# Altium PCB PCB1.PcbDoc (continued)
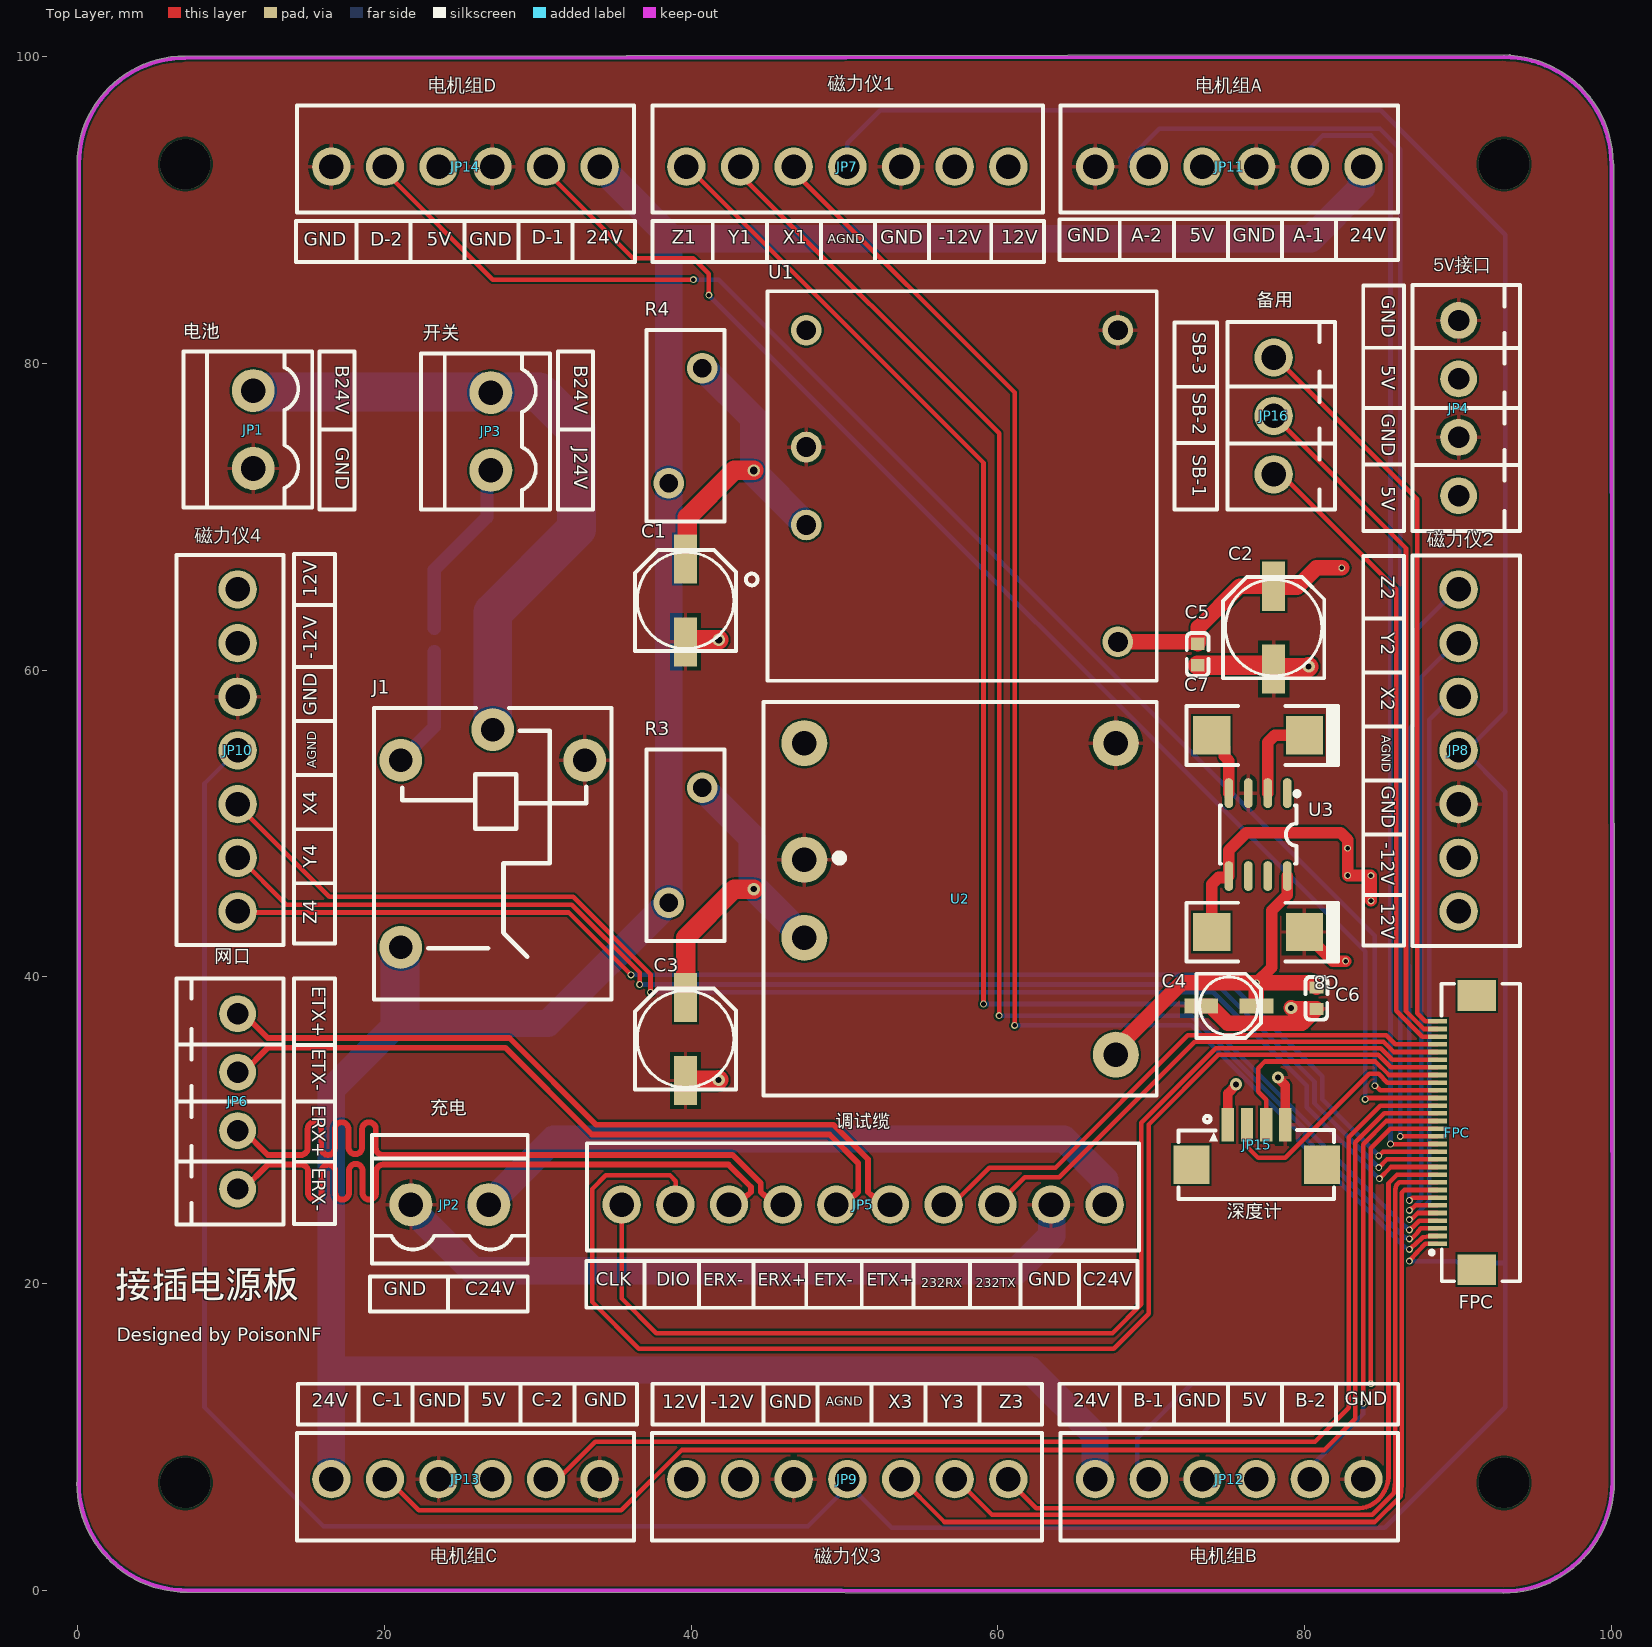
[diagram p0: Top Layer view]
## Footprints (in the part's own frame and the unit in brackets; to place one, negate y for a bottom-side part, rotate by r counter-clockwise, add the part's x,y. Pads: shape width x height; smd on the part's side, far side on the other; paste and mask are expansions set on the pad)
C0603 [mm]
  rect 0.8x0.9 smd: 1(-0.7,0) 2(0.7,0)
  silkscreen extent -1.41,-0.71 1.39,0.72
CASE-C_6032 [mil]
  rect 95.5x98.42 smd: 1(119,0) 2(-119,0)
  silkscreen extent -184,-76 205,75
"CM B(4*5.4)" [mm]
  rect 2.2x1 smd: 1(1.8,0) 2(-1.8,0)
  silkscreen extent -2.1,-2.1 2.1,2.1, body extent -2.3,-2.12 2.3,2.18, height 5.4
"CM D(6.3*5.4)" [mm]
  rect 3.2x1.5 smd: 1(2.7,0) 2(-2.7,0)
  silkscreen extent -3.3,-3.3 3.3,3.3, body extent -3.5,-3.3 3.5,3.3, height 5.4
"CM D(6.3*7.7)" [mm] "贴片电解电容，直径6.3mm，高7.7mm"
  rect 3.2x1.5 smd: 1(2.7,0) 2(-2.7,0)
  silkscreen extent -3.3,-3.3 3.3,3.3, body extent -3.5,-3.3 3.5,3.3, height 7.7
CONN-SMD_4P-P1.25-HC-1.25-4PWT [mm]
  rect 0.8x2.2 smd paste+0 mask+0.05: 1(-1.875,1.3) 2(-0.625,1.3) 3(0.625,1.3) 4(1.875,1.3)
  rect 2.35x2.5 smd paste+0 mask+0.05: 5(4.255,-1.3) 6(-4.255,-1.3)
  silkscreen extent -5.08,-3.55 5.06,1.88
CONN-TH_3P-P3.81_KF2EDGV-3.81-3P [mm]
  round 2.5 hole 1.6: 1(-3.81,0) 2(0,0) 3(3.81,0)
  silkscreen extent -6.11,-4 6.11,3
CONN-TH_4P-P3.81_KF2EDGV-3.81-4P [mm]
  round 2.4 hole 1.4: 1(-5.715,0) 2(-1.905,0) 3(1.905,0) 4(5.715,0)
  silkscreen extent -8.02,-4 8.02,3
CONN-TH_6P-P3.50_KF2EDGV-3.5-6P [mm]
  round 2.5 hole 1.6: 1(-8.75,0) 2(-5.25,0) 3(-1.75,0) 4(1.75,0) 5(5.25,0) 6(8.75,0)
  silkscreen extent -11,-4 11,3
CONN-TH_7P-P3.50_KF2EDGV-3.5-7P [mm]
  round 2.5 hole 1.6: 1(-10.5,0) 2(-7,0) 3(-3.5,0) 4(0,0) 5(3.5,0) 6(7,0) 7(10.5,0)
  silkscreen extent -12.75,-4 12.7,3
CONN-TH_10P-P3.50_KF2EDGV-3.5-10P [mm]
  round 2.5 hole 1.6: 1(-15.75,0) 2(-12.25,0) 3(-8.75,0) 4(-5.25,0) 5(-1.75,0) 6(1.75,0) 7(5.25,0) 8(8.75,0) 9(12.25,0) 10(15.75,0)
  silkscreen extent -18,-4 18,3
CONN-TH_P5.08_KF2EDGV-5.08-2P [mm]
  round 2.8 hole 1.6: 1(-2.54,0) 2(2.54,0)
  silkscreen extent -5.08,-4.55 5.08,3.85
FPC-SMD_30P-P0.50_XUNPU_FPC-05F-30PH20 [mm]
  rect 0.3x1.25 smd paste+0 mask+0.05: 1(-7.25,1.288) 2(-6.75,1.288) 3(-6.25,1.288) 4(-5.75,1.288) 5(-5.25,1.288) 6(-4.75,1.288) 7(-4.25,1.288) 8(-3.75,1.288) 9(-3.25,1.288) 10(-2.75,1.288) 11(-2.25,1.288) 12(-1.75,1.288) 13(-1.25,1.288) 14(-0.75,1.288) 15(-0.25,1.288) 16(0.25,1.288) 17(0.75,1.288) 18(1.25,1.288) 19(1.75,1.288) 20(2.25,1.288) 21(2.75,1.288) 22(3.25,1.288) 23(3.75,1.288) 24(4.25,1.288) 25(4.75,1.288) 26(5.25,1.288) 27(5.75,1.288) 28(6.25,1.288) 29(6.75,1.288) 30(7.25,1.288)
  rect 2x2.5 smd paste+0 mask+0.05: 31(8.94,-1.288) 32(-8.94,-1.288)
  silkscreen extent -9.7,-4.1 9.7,1.78
PWRM-TH_HI-LINK_URXXYMD-XXWR3 [mm]
  round 3 hole 1.6: 1(-10.16,2.54) 2(-10.16,-2.54) 3(10.16,-10.16) 5(10.16,10.16) 6(-10.16,10.16)
  silkscreen extent -12.83,-12.83 12.83,12.83
PWRM-TH_TDK-XXSXX [mm]
  round 2 hole 1.3: 1(-10.16,-2.54) 2(-10.16,2.54) 3(-10.16,10.16) 4(10.16,10.16) 6(10.16,-10.16)
  silkscreen extent -14.1,-12.7 12.7,12.7
R0603 [mm]
  rect 0.806x0.864 smd paste-100 mask+0.051: 1(-0.753,0) 2(0.753,0)
  silkscreen extent -1.39,-0.66 1.39,0.66
RELAY-TH_JQC-3FF-1HXX [mil]
  round 110 hole 60: 1(-200.79,236.22) 2(-200.79,-236.22) 3(279.54,-236.2) 4(-279.53,0)
  silkscreen extent -335,-305 413,305
RES-TH_L12.5-W5.1-P7.50-D1.2-S2.20 [mm]
  round 2 hole 1.2: 1(-3.749,1.1) 2(3.749,-1.1)
  silkscreen extent -6.25,-2.55 6.25,2.55
SOIC-8_L5.0-W4.0-P1.27-LS6.0-BL [mil]
  oval 22.38x76.78 smd: 1(-75,-106.5) 2(-25,-106.5) 3(25,-106.5) 4(75,-106.5) 5(75,106.5) 6(25,106.5) 7(-25,106.5) 8(-75,106.5)
  silkscreen extent -106,-111 98,75

## Part data
C1 C2 C3 C4: library part C-CM, "贴片电解电容", BOM名称=贴片电解电容, 学习资源=www.ooocke.com, 版权归属=源创客
C5 C6: library part 0603B104K500NT, "0603电容", JLCPCB Part Class="Extended Part", LCSC Part Name="100nF ±10% 50V", Manufacturer=FH(风华), Temperature Coefficient=X7R, Tolerance=±10%, Voltage Rated=50V, Add into BOM=yes, Convert to PCB=yes, Datasheet=https://atta.szlcsc.com/upload/public/pdf/source/20170923/C30926_1506149436298988724.pdf, Device=0603B104K500NT, Manufacturer Part=0603B104K500NT, Name=100nF, Supplier=LCSC, Supplier Footprint=0603, Supplier Part=C30926, Symbol=0603B104K500NT
C7 C8: library part TAJC106K035RNJ, "10uF/35V钽电容", Equivalent Series Resistance(ESR)=1.6Ω@100kHz, JLCPCB Part Class="Extended Part", LCSC Part Name="10uF ±10% 35V", Manufacturer="Kyocera AVX", Operating Temperature=-55℃~+125℃, Rated Voltage=35V, Tolerance=±10%, Add into BOM=yes, Convert to PCB=yes, Datasheet=https://atta.szlcsc.com/upload/public/pdf/source/20160107/1457707749174.pdf, Device=TAJC106K035RNJ, Manufacturer Part=TAJC106K035RNJ, Name=10uF, Supplier=LCSC, Supplier Footprint=CASE-C_6032, Supplier Part=C7211, Symbol=TAJC106K035RNJ
FPC: JLCPCB Part Class="Extended Part", LCSC Part Name="0.5mm P数:30P 翻盖式 下接", Manufacturer=XUNPU(讯普), Operating Temperature Range=-25℃~+85℃, Add into BOM=yes, Contact Type=下接, Convert to PCB=yes, Datasheet=https://atta.szlcsc.com/upload/public/pdf/source/20210922/C2856808_4E6DDE2793CFD9EF09B771A8BD3338A4.pdf, Device=FPC-05F-30PH20, FFC, FCB Thickness=0.3mm, Height Above Board=2mm, Locking Feature=翻盖式, Manufacturer Part=FPC-05F-30PH20, Mounting Type=卧贴, Name=FPC-05F-30PH20, Number of Contacts=30P, Pitch=0.5mm, Supplier=LCSC, Supplier Footprint=SMD,P=0.5mm, Supplier Part=C2856808, Symbol=FPC-05F-30PH20
J1: Coil Rated Power=360mW, Coil Resistance=1.6kΩ, Coil Voltage=24V, Contact Rating=10A@28VDC；10A@277VAC, Contact Resistance=100mΩ, JLCPCB Part Class="Extended Part", LCSC Part Name="超小型大功率24V继电器 单刀单掷-常开", Manufacturer=HF(宏发), Maximum Switching Current=15A, Maximum Switching Voltage=277V@AC；30V@DC, Operating Temperature=-40℃~+85℃, Add into BOM=yes, Coil Type=非极化-单线圈, Contact Form=一组常开:1A(单刀单掷-常开), Contact Material=AgCdO, Convert to PCB=yes, Datasheet=https://atta.szlcsc.com/upload/public/pdf/source/20210423/C2764964_4D875C5A5AA80B7BE436E96771A09B40.pdf, Device=JQC-3FF/024-1HS(551), Manufacturer Part=JQC-3FF/024-1HS(551), Name=JQC-3FF/024-1HS(551), Operate Time=10ms, Pin Number=4, Release Time=5ms, Supplier=LCSC, Supplier Footprint=插件,15.5x19mm, Supplier Part=C2976877, Symbol=JQC-3FF/024-1HS(551)
JP1 JP2 JP3: Color=绿色, Current Rating (Max)=15A, JLCPCB Part Class="Extended Part", LCSC Part Name="5.08mm 1x2P 排数:1 每排P数:2", Manufacturer=KEFA(科发), Operating Temperature Range=-40℃~+105℃, Voltage Rating (Max)=300V, Add into BOM=yes, Connector Type=板端/插座-开口, Convert to PCB=yes, Datasheet=https://atta.szlcsc.com/upload/public/pdf/source/20230331/07EACEF7A0E6B8900C77AF4F304A3561.pdf, Device=KF2EDGV-5.08-2P, Manufacturer Part=KF2EDGV-5.08-2P, Mounting Style=直针, Name=KF2EDGV-5.08-2P, Number of Pins=2P, Number of PINs Per Row=2, Number of Rows=1, Pitch=5.08mm, Structure=1x2P, Supplier=LCSC, Supplier Footprint=插件,P=5.08mm, Supplier Part=C441354, Symbol=KF2EDGV-5.08-2P
JP4 JP6: Color=绿色, Current Rating (Max)=8A, JLCPCB Part Class="Extended Part", LCSC Part Name="板端/插座-闭口 3.81mm 排数:1 每排P数:4 直针", Manufacturer=KEFA(科发), Manufacturer Part=KF2EDGV-3.81-4P, Operating Temperature Range=-40℃~+105℃, Voltage Rating (Max)=300V, Add into BOM=yes, Connector Type=板端/插座-闭口, Convert to PCB=yes, Datasheet=https://atta.szlcsc.com/upload/public/pdf/source/20191023/C441334_2B3686AE66497D0AF2D450E865A6AACE.pdf, Device=KF2EDGV-3.81-4P_C441334, Mounting Style=直针, Name=KF2EDGV-3.81-4P, Number of PINs Per Row=4, Number of Rows=1, Pitch=3.81mm, Supplier=LCSC, Supplier Footprint=直插,P=3.81mm, Supplier Part=C441334, Symbol=KF2EDGV-3.81-4P, Wire Gauge - AWG=-, Wire Gauge - mm?=-
JP5: Color=绿色, Current Rating (Max)=8A, JLCPCB Part Class="Extended Part", LCSC Part Name="3.5mm 1x10P 排数:1 每排P数:10", Manufacturer=KEFA(科发), Operating Temperature Range=-40℃~+105℃, Voltage Rating (Max)=300V, Add into BOM=yes, Connector Type=板端/插座-闭口, Convert to PCB=yes, Datasheet=https://atta.szlcsc.com/upload/public/pdf/source/20230331/973DE48A1FC0C5DCFB383F3EF6D70D72.pdf, Device=KF2EDGV-3.5-10P, Manufacturer Part=KF2EDGV-3.5-10P, Mounting Style=直针, Name=KF2EDGV-3.5-10P, Number of Pins=10P, Number of PINs Per Row=10, Number of Rows=1, Pitch=3.5mm, Structure=1x10P, Supplier=LCSC, Supplier Footprint=插件,P=3.5mm, Supplier Part=C441318, Symbol=KF2EDGV-3.5-10P
JP7 JP8 JP9 JP10: Color=绿色, Current Rating (Max)=8A, JLCPCB Part Class="Extended Part", LCSC Part Name="3.5mm 1x7P 排数:1 每排P数:7", Manufacturer=KEFA(科发), Operating Temperature Range=-40℃~+105℃, Voltage Rating (Max)=300V, Add into BOM=yes, Connector Type=板端/插座-闭口, Convert to PCB=yes, Datasheet=https://atta.szlcsc.com/upload/public/pdf/source/20230331/973DE48A1FC0C5DCFB383F3EF6D70D72.pdf, Device=KF2EDGV-3.5-7P, Manufacturer Part=KF2EDGV-3.5-7P, Mounting Style=直针, Name=KF2EDGV-3.5-7P, Number of Pins=7P, Number of PINs Per Row=7, Number of Rows=1, Pitch=3.5mm, Structure=1x7P, Supplier=LCSC, Supplier Footprint=插件,P=3.5mm, Supplier Part=C441326, Symbol=KF2EDGV-3.5-7P
JP11 JP12 JP13 JP14: Color=绿色, Current Rating (Max)=8A, JLCPCB Part Class="Extended Part", LCSC Part Name="3.5mm 1x6P 排数:1 每排P数:6", Manufacturer=KEFA(科发), Operating Temperature Range=-40℃~+105℃, Voltage Rating (Max)=300V, Add into BOM=yes, Connector Type=板端/插座-闭口, Convert to PCB=yes, Datasheet=https://atta.szlcsc.com/upload/public/pdf/source/20230331/973DE48A1FC0C5DCFB383F3EF6D70D72.pdf, Device=KF2EDGV-3.5-6P, Manufacturer Part=KF2EDGV-3.5-6P, Mounting Style=直针, Name=KF2EDGV-3.5-6P, Number of Pins=6P, Number of PINs Per Row=6, Number of Rows=1, Pitch=3.5mm, Structure=1x6P, Supplier=LCSC, Supplier Footprint=插件,P=3.5mm, Supplier Part=C441325, Symbol=KF2EDGV-3.5-6P
JP15: Current Rating (Max)=1A, JLCPCB Part Class="Extended Part", LCSC Part Name="1.25mm 1x4P 卧贴", Manufacturer=HCTL(华灿天禄), Operating Temperature Range=-25℃~+85℃, Add into BOM=yes, Convert to PCB=yes, Datasheet=https://atta.szlcsc.com/upload/public/pdf/source/20210728/C2845379_48B7DC28A4B35DB030A7253F7C3FD974.pdf, Device=HC-1.25-4PWT, Gender=公型插针, Manufacturer Part=HC-1.25-4PWT, Mounting Style=卧贴, Name=HC-1.25-4PWT, Number of PINs Per Row=4, Number of Rows=1, Pins Structure=1x4P, Pitch=1.25mm, Reference Series=-, Row Spacing=-, Supplier=LCSC, Supplier Footprint=SMD,P=1.25mm, Supplier Part=C2845381, Symbol=HC-1.25-4PWT
JP16: Color=绿色, Current Rating (Max)=8A, JLCPCB Part Class="Extended Part", LCSC Part Name="板端/插座-闭口 3.81mm 排数:1 每排P数:3 直针", Manufacturer=KEFA(科发), Operating Temperature Range=-40℃~+105℃, Voltage Rating (Max)=300V, Add into BOM=yes, Connector Type=板端/插座-闭口, Convert to PCB=yes, Datasheet=https://atta.szlcsc.com/upload/public/pdf/source/20191023/C441333_64A45A3FA7EEF66FCEFDF359E788B867.pdf, Device=KF2EDGV-3.81-3P, Manufacturer Part=KF2EDGV-3.81-3P, Mounting Style=直针, Name=KF2EDGV-3.81-3P, Number of PINs Per Row=3, Number of Rows=1, Pitch=3.81mm, Supplier=LCSC, Supplier Footprint=直插,P=3.81mm, Supplier Part=C441333, Symbol=KF2EDGV-3.81-3P, Wire Gauge - AWG=-, Wire Gauge - mm?=-
R1: library part 0603WAF1002T5E, "0603电阻", JLCPCB Part Class="Basic Part", LCSC Part Name="厚膜电阻 10kΩ ±1% 100mW", Manufacturer=UNI-ROYAL(厚声), Operating Temperature Range=-55℃~+155℃, Overload Voltage (Max)=75V, Power(Watts)=100mW, Temperature Coefficient=±100ppm/℃, Tolerance=±1%, Add into BOM=yes, Convert to PCB=yes, Datasheet=https://atta.szlcsc.com/upload/public/pdf/source/20200306/C422600_1E6D84923E4A46A82E41ADD87F860B5C.pdf, Device=0603WAF1002T5E, Manufacturer Part=0603WAF1002T5E, Name=10kΩ, Supplier=LCSC, Supplier Footprint=0603, Supplier Part=C25804, Symbol=0603WAF1002T5E, Type=厚膜电阻
R3 R4: "NTC热敏电阻", B Constant Tolerance=±10%, JLCPCB Part Class="Extended Part", LCSC Part Name="22Ω 电阻精度:±20% 3000K", Manufacturer=时恒, Operating Temperature=-40℃~+170℃, Power=2W, Resistance @ 25℃=22Ω, Resistance Tolerance=±20%, Steady State Current (Max)=1A, Add into BOM=yes, B Constant (25℃/50℃)=3000K, B Constant (25℃/75℃)=-, B Constant (25℃/85℃)=-, B Constant (25℃/100℃)=-, Convert to PCB=yes, Datasheet=https://atta.szlcsc.com/upload/public/pdf/source/20170721/C122769_1500627493180835245.pdf, Device="MF72 22D9", Manufacturer Part="MF72 22D9", Name="MF72 22D9", Supplier=LCSC, Supplier Footprint=插件,P=7.5mm, Supplier Part=C122769, Symbol="22Ω ±20%"
U1: "24V转5V模块", Input Voltage(DC)=18V~36V, Insulated Voltage=1.5kV, Isolated Or Voltage Regulation=隔离稳压, JLCPCB Part Class="Extended Part", Manufacturer=TDPOWER(腾达电源), Maximum Capacitive Load=-, Output Current (Max)=3A, Output Power=15W, Output Voltage=5V, Add into BOM=yes, Conversion Efficiency=89%, Conversion Type=DC-DC, Convert to PCB=yes, Datasheet=https://atta.szlcsc.com/upload/public/pdf/source/20210930/A9C51F22E6FCA77EB1BA0F549BEECE76.pdf, Device=TDK15-24S05, Feature=过流保护；短路保护自恢复, Function=降压型, LCSC Part Name=TDK15-24S05, Manufacturer Part=TDK15-24S05, Name=TDK15-24S05, Output Channel=1, Supplier=LCSC, Supplier Footprint=插件,25.4x25.4mm, Supplier Part=C2897733, Symbol=TDK15-24S05
U2: "24V转12V模块", Input Voltage(AC)=-, Input Voltage(DC)=9V~36V, Insulated Voltage=1.5kV, JLCPCB Part Class="Extended Part", LCSC Part Name=直流隔离电源模块24V转12V短路保护, Manufacturer=HI-LINK(海凌科), Manufacturer Part=URB2412YMD-10WR3, Output Current (Max)=830mA, Output Power=10W, Output Voltage=12V, Add into BOM=yes, Conversion Efficiency=88%, Conversion Type=-, Convert to PCB=yes, Datasheet=https://atta.szlcsc.com/upload/public/pdf/source/20220927/AB12EB04CD3DB2BFFF2FA8A845DD4118.pdf, Device=URB2412YMD-10WR3_C5183122, Feature=输出短路保护, Function=-, Isolated Or Voltage Regulation=-, Maximum Capacitive Load=-, Name=URB2412YMD-10WR3, Output Channel=-, Supplier=LCSC, Supplier Footprint=插件, Supplier Part=C5183122, Symbol=URB2412YMD-10WR3_C5183122
U3: "宽幅电压逆变", Input Voltage=4.5V~20V, JLCPCB Part Class="Extended Part", Manufacturer=ADI(亚德诺)/MAXIM(美信), Operating Temperature=-40℃~+85℃@(TA), Switching Frequency=10kHz, Add into BOM=yes, Convert to PCB=yes, Datasheet=https://atta.szlcsc.com/upload/public/pdf/source/20180803/C242528_35C2419E4C13BFD84D6327AC96256493.pdf, Device=ICL7662EBA+T, LCSC Part Name=ICL7662EBA+T, Manufacturer Part=ICL7662EBA+T, Name=ICL7662EBA+T, Number of Outputs=1, Output Type=固定, Supplier=LCSC, Supplier Footprint=SOP-8, Supplier Part=C28595, Symbol=ICL7662EBA, Synchronous Rectification=否

## Via types
v1: diameter 0.45, hole 0.3, Top Layer to Bottom Layer, 31 vias
v2: diameter 0.8, hole 0.4, Top Layer to Bottom Layer, 6 vias
v3: diameter 3.3, hole 3.3, Top Layer to Bottom Layer, 4 vias
v4: diameter 0.8, hole 0.5, Top Layer to Bottom Layer, 2 vias

## Nets (pads, with @x,y where several pads share a name; then routed paths per layer and width w, separated by ;. In a path a pad name is that pad's centre, name@x,y a point inside that pad or via, vN(x,y) a via of type N, cw(c..) or ccw(c..) an arc to the next point about the centre after c; other vN are vias at no path point)
5V: C2.1 C5.2 JP4.1 JP4.3 JP11.4 JP12.4 JP13.4 JP14.4 JP15.1 U1.6 | length 20.2
  Top Layer w0.635: JP15.1 74.99,32.405 75.531,32.946 v2(75.531,32.986)
  Top Layer w1.016: U1.6 72.901,61.849 C5.2 73.075,61.775 73.075,62.788 75.758,65.471 C2.1 78.044,65.405 79.502,65.405 80.772,66.675 v1(82.423,66.675)
12V: C4.1 C6.2 JP7.1 JP8.1 JP9.1 JP10.1 U2.3 U3.8 | length 25.2
  Top Layer w0.762: v1(76.857,39.613) 77.851,40.607 77.851,44.323 78.867,45.339 U3.8
  Top Layer w1: 71.882,39.497 71.998,39.613 v1(76.857,39.613) 80.467,39.613 C6.2
  Top Layer w1.016: U2.3 68.071,35.305 67.69,35.305 71.882,39.497 ; C4.1 v1(76.857,39.613)
24V: J1.3 JP11.1 JP12.1 JP13.1 JP14.1 R3.1 R4.1 | length 208
  Bottom Layer w1.778: JP13.1 16.523,32.652 21.003,37.132 21.178,36.957 30.65,36.957 R3.1 38.524,58.504 R4.1 38.524,88.138 ; 17.285,14.351 62.103,14.351 66.335,10.119 JP12.1 ; JP14.1@34.864,92.009 38.524,88.349 38.524,88.138 ; JP11.1 83.697,92.699 83.697,91.444 80.391,88.138 38.524,88.138
  Bottom Layer w2.54: 21.003,37.132 21.003,41.873 J1.3 J1.3@21.052,41.753
232RX: FPC.27 JP5.4 | length 37
  Top Layer w0.3: JP5.4@56.642,24.765 59.436,27.559 63.754,27.559 72.383,36.188 85.322,36.188 85.915,35.595 FPC.27
232TX: FPC.26 JP5.3 | length 33.4
  Top Layer w0.3: JP5.3 61.737,26.924 64.008,26.924 72.845,35.761 85.145,35.761 85.811,35.095 FPC.26
-12V: C8.2 JP7.2 JP8.2 JP9.2 JP10.2 U3.5 | length 20
  Top Layer w0.762: C8.2 73.939,46.036 74.386,46.482 74.968,46.482 U3.5 75.057,48.26 76.2,49.403 82.343,49.403 82.804,48.942 v1(82.804,46.609) 82.811,46.602 v1(84.321,46.602) 84.328,46.596 v1(84.328,44.958)
  other v1: 82.804,48.387
AGND: FPC.1 JP7.4 JP8.4 JP9.4 JP10.4 | length 274.7
  Top Layer w0.3: v1(86.827,21.463) 87.329,22.019 87.367,22.089 87.873,22.595 FPC.1
  Bottom Layer w0.3: JP10.4@11.15,55.502 8.255,52.606 8.255,11.938 16.016,4.177 47.611,4.177 49.707,6.273 JP9.4@50.515,6.273 ; JP9.4 50.179,6.971 53.086,4.064 85.217,4.064 93.091,11.938 93.091,21.336 ; JP7.4 50.179,94.375 52.324,96.52 84.963,96.52 91.694,89.789 93.091,88.392 93.091,57.277 JP8.4@90.868,55.054 ; v1(86.827,21.463) 89.9,21.463 90.027,21.336 93.091,21.336 ; JP8.4 90.396,54.765 93.091,52.07 93.091,21.463 93.091,21.336
B24V: J1.4 JP1.1 JP3.1 | length 43.9
  Bottom Layer w2.54: JP1.1@11.43,78.152 26.67,78.152 26.682,78.14 30.064,78.14 32.512,75.692 32.512,69.215 27.051,63.754 J1.4
C24V: JP2.1 JP5.1 | length 44.9
  Bottom Layer w1.778: JP2.1@26.63,25.019 31.035,29.424 64.306,29.424 66.959,26.771 JP5.1
ERX_N: JP5.8 JP6.4 | length 47.9
  Top Layer w0.381: JP6.4@10.795,26.162 12.383,27.749 13.481,27.749 14.56,27.749 cw(c14.56,27.305) 15.005,27.305 15.005,25.914 ccw(c15.449,25.914) 15.894,25.914 15.894,27.305 cw(c16.338,27.305) 16.783,27.305 16.783,25.914 ccw(c17.227,25.914) 17.672,25.914 17.672,27.357 cw(c18.116,27.357) 18.561,27.357 18.561,25.914 ccw(c19.005,25.914) 19.45,25.914 19.45,27.305 cw(c19.894,27.305) 19.894,27.749 21.578,27.749 42.432,27.749 43.892,26.29 43.892,25.974 43.668,25.751 43.637,25.751 43.033,25.146 JP5.8
ERX_P: JP5.7 JP6.3 | length 47.9
  Top Layer w0.381: JP6.3@10.795,29.972 12.383,28.384 14.343,28.384 14.533,28.384 ccw(c14.533,28.829) 14.978,28.829 14.978,30.075 cw(c15.422,30.075) 15.867,30.075 15.867,28.829 ccw(c16.311,28.829) 16.756,28.829 16.756,30.075 cw(c17.2,30.075) 17.645,30.075 17.645,28.881 ccw(c18.089,28.881) 18.534,28.881 18.534,30.075 cw(c18.978,30.075) 19.423,30.075 19.423,28.829 ccw(c19.867,28.829) 19.867,28.384 21.229,28.384 42.695,28.384 44.527,26.553 44.527,25.974 44.75,25.751 44.781,25.751 45.386,25.146 JP5.7
ETX_N: JP5.6 JP6.2 | length 47.5
  Top Layer w0.381: JP6.2@10.795,33.782 12.382,35.369 27.877,35.369 33.528,29.718 49.013,29.718 50.892,27.839 50.892,25.974 50.668,25.751 50.637,25.751 50.033,25.146 JP5.6
ETX_P: JP5.5 JP6.1 | length 48.6
  Top Layer w0.381: JP6.1@10.795,37.592 12.383,36.004 28.14,36.004 33.791,30.353 49.276,30.353 51.527,28.102 51.527,25.974 51.75,25.751 51.781,25.751 52.386,25.146 JP5.5
GND: C1.2 C2.2 C3.2 C4.2 C5.1 C6.1 C8.1 J1.1 JP1.2 JP2.2 JP4.2 JP4.4 JP5.2 JP7.3 JP8.3 JP9.3 JP10.3 JP11.3 JP11.6 JP12.3 JP12.6 JP13.3 JP13.6 JP14.3 JP14.6 JP15.4 U1.2 U1.4 U2.1 U2.5 U3.3 | length 74.4
  Top Layer w0.635: v2(78.266,33.435) 78.266,33.391 78.74,32.917 JP15.4
  Top Layer w0.762: C8.1 79.985,42.889 81.852,41.021 v1(82.677,41.021)
  Top Layer w1: C4.2 73.857,38.1 74.992,36.965 79.829,36.965 C6.1 79.186,37.908 v2(79.121,37.973)
  Top Layer w1.27: C3.2 41.75,33.241 v2(41.783,33.274) ; C1.2 39.624,61.861 39.739,61.976 v4(41.783,61.976) ; C5.1 77.863,60.325 78.023,60.165 80.198,60.165 v2(80.264,60.231)
  Bottom Layer w1.778: JP2.2@22.136,24.473 25.781,20.828 61.214,20.828 63.504,23.118 63.504,25.101 JP5.2
J24V: JP3.2 R1.1 | length 11.8
  Bottom Layer w0.864: R1.1 23.241,66.548 26.67,69.977 JP3.2@26.67,73.152
NetC1_1: C1.1 R4.2 U1.1 | length 21.4
  Top Layer w1.27: C1.1 39.739,67.364 39.739,69.965 42.799,73.025 v4(44.069,73.025)
  Bottom Layer w1.778: R4.2 40.784,79.695 44.069,76.41 44.069,72.898 U1.1
NetC3_1: C3.1 R3.2 U2.2 | length 22.2
  Top Layer w1.27: C3.1 39.624,42.545 42.799,45.72 v2(44.069,45.72)
  Bottom Layer w1.778: R3.2 43.952,49.101 43.952,45.964 U2.2
NetC7_1: C7.1 U3.2 | length 5.9
  Top Layer w0.762: U3.2 77.597,55.307 78.043,55.753 C7.1
NetC7_2: C7.2 U3.4 | length 4.2
  Top Layer w0.762: C7.2 74.771,54.921 74.771,54.385 75.057,54.099 U3.4
NetFPC_22: FPC.22 JP15.2 | length 16.7
  Top Layer w0.3: JP15.2 76.24,28.916 76.962,28.194 78.74,28.194 84.212,33.666 84.825,33.666 85.396,33.095 FPC.22
NetFPC_23: FPC.23 JP15.3 | length 16.1
  Top Layer w0.3: JP15.3 77.49,31.984 76.962,32.512 76.962,34.036 77.406,34.48 84.615,34.48 85.5,33.595 FPC.23
NetJ1_2: J1.2 R1.2 | length 8
  Bottom Layer w0.864: J1.2 23.241,56.312 R1.2
PWMA-1: FPC.14 JP11.2 | length 74.5
  Top Layer w0.3: v1(85.598,29.097) 85.612,29.083 88.081,29.083 88.093,29.095 FPC.14@88.643,29.095
  Bottom Layer w0.3: JP11.2@79.743,93.429 81.183,94.869 84.328,94.869 85.598,93.599 v1(85.598,29.097)
PWMA-2: FPC.15 JP11.5 | length 86.3
  Top Layer w0.3: v1(86.233,29.591) 87.239,29.591 87.243,29.595 FPC.15
  Bottom Layer w0.3: JP11.5@68.651,92.837 68.651,93.432 70.514,95.296 84.917,95.296 86.233,93.98 v1(86.233,29.591)
PWMB-1: FPC.16 JP12.2 | length 39.6
  Top Layer w0.3: v1(84.322,13.462) 84.322,28.823 85.594,30.095 FPC.16
  Bottom Layer w0.3: JP12.2@69.073,7.239 69.073,9.891 72.644,13.462 v1(84.322,13.462)
PWMB-2: FPC.17 JP12.5 | length 29.1
  Top Layer w0.3: v1(83.82,12.192) 83.82,29.083 85.332,30.595 FPC.17
  Bottom Layer w0.3: JP12.5@79.573,7.239 83.82,11.486 v1(83.82,12.192)
PWMC-1: FPC.18 JP13.2 | length 90.3
  Top Layer w0.3: JP13.2@20.785,7.239 20.785,6.647 22.225,5.207 35.433,5.207 39.37,9.144 81.28,9.144 83.312,11.176 83.312,29.21 85.197,31.095 FPC.18
PWMC-2: FPC.19 JP13.5 | length 77.8
  Top Layer w0.3: JP13.5@31.285,7.239 33.731,9.685 80.678,9.685 82.885,11.892 82.885,29.545 84.935,31.595 FPC.19
PWMD-1: FPC.20 JP14.2 | length 90
  Top Layer w0.3: JP14.2 30.523,92.54 36.195,86.868 40.132,86.868 41.148,85.852 v1(41.148,84.455) ; v1(83.947,32.004) 83.988,32.004 84.079,32.095 FPC.20
  Bottom Layer w0.3: v1(41.148,84.455) 83.947,41.656 v1(83.947,32.004)
PWMD-2: FPC.21 JP14.5 | length 98.8
  Top Layer w0.3: JP14.5@20.293,92.229 27.051,85.471 v1(40.132,85.471) ; v1(84.582,32.893) 84.623,32.893 84.92,32.595 FPC.21
  Bottom Layer w0.3: v1(40.132,85.471) 41.783,85.471 84.582,42.672 v1(84.582,32.893)
PWMSB-1: FPC.28 JP16.1 | length 41.5
  Top Layer w0.3: JP16.1@78.486,72.771 85.979,65.278 85.979,37.781 87.665,36.095 FPC.28
PWMSB-2: FPC.29 JP16.2 | length 44.9
  Top Layer w0.3: JP16.2 86.614,67.945 86.614,37.75 87.769,36.595 FPC.29
PWMSB-3: FPC.30 JP16.3 | length 47.1
  Top Layer w0.3: JP16.3@78.836,79.66 87.344,71.152 87.344,37.624 87.873,37.095 FPC.30
SWCLK: FPC.25 JP5.10 | length 75.2
  Top Layer w0.3: JP5.10 35.459,19.024 37.719,16.764 67.468,16.764 69.342,18.638 69.342,30.48 74.196,35.334 84.969,35.334 85.707,34.595 FPC.25
SWDIO: FPC.24 JP5.9 | length 86.8
  Top Layer w0.3: JP5.9 38.989,25.176 38.989,26.67 38.608,27.051 34.417,27.051 33.528,26.162 33.528,18.796 36.576,15.748 67.564,15.748 69.834,18.018 69.834,30.369 74.373,34.907 84.792,34.907 85.604,34.095 FPC.24
X1: FPC.2 JP7.5 | length 94.9
  Top Layer w0.3: JP7.5@47.178,92.014 61.087,78.105 v1(61.087,36.83) ; v1(86.827,22.227) 87.212,22.566 87.696,23.022 88.18,23.095 FPC.2
  Bottom Layer w0.3: v1(61.087,36.83) 72.644,36.83 79.589,29.885 79.589,29.303 86.533,22.358
X2: FPC.5 JP8.5 | length 38.4
  Top Layer w0.3: v1@86.98,24.263 87.035,24.263 87.367,24.595 FPC.5
  Bottom Layer w0.3: v1(86.827,24.167) 86.868,24.167 86.963,24.263 87.035,24.263 88.138,25.366 88.138,56.769 JP8.5@90.532,59.163
X3: FPC.8 JP9.5 | length 57
  Top Layer w0.3: JP9.5@53.405,7.555 56.515,4.445 84.582,4.445 86.262,6.125 86.325,6.885 86.325,25.919 86.501,26.095 FPC.8
X4: FPC.11 JP10.5 | length 91.2
  Top Layer w0.3: JP10.5@9.659,51.936 16.383,45.212 32.302,45.212 37.338,40.176 v1(37.338,38.989) ; v1(84.873,26.834) 85.634,27.595 FPC.11
  Bottom Layer w0.3: v1(37.338,38.989) 74.041,38.989 80.137,32.893 80.137,31.496 82.453,29.18 82.505,29.18 84.851,26.834 v1(84.873,26.834)
Y1: FPC.3 JP7.6 | length 96.9
  Top Layer w0.3: JP7.6@43.287,92.222 60.071,75.438 v1(60.071,37.465) ; v1(86.827,22.905) 87.035,22.993 87.329,23.287 87.405,23.419 87.58,23.595 FPC.3
  Bottom Layer w0.3: v1(60.071,37.465) 72.613,37.465 80.016,30.062 80.016,29.511 86.533,22.993 86.699,22.993 86.786,22.905 v1(86.827,22.905)
Y2: FPC.6 JP8.6 | length 41.1
  Top Layer w0.3: v1@86.949,24.898 87.034,24.898 87.231,25.095 FPC.6
  Bottom Layer w0.3: v1(86.827,24.765) 86.868,24.765 87.014,24.911 87.035,24.911 87.592,25.469 87.592,59.525 90.015,61.948 90.171,61.948 JP8.6@90.539,62.472
Y3: FPC.9 JP9.6 | length 53.5
  Top Layer w0.3: JP9.6@56.87,7.646 59.609,4.907 84.409,4.907 85.822,6.32 85.898,7.062 85.898,26.096 85.982,26.419 86.158,26.595 FPC.9
Y4: FPC.12 JP10.6 | length 88.1
  Top Layer w0.3: JP10.6@10.471,47.822 13.589,44.704 32.206,44.704 36.628,40.282 v1(36.628,39.499) ; v1(84.836,27.559) 85.372,28.095 FPC.12
  Bottom Layer w0.3: v1(36.628,39.499) 36.63,39.497 74.295,39.497 80.645,33.147 80.645,31.75 v1(84.836,27.559)
Z1: FPC.4 JP7.7 | length 97.8
  Top Layer w0.3: JP7.7@40.336,92.252 59.055,73.533 v1(59.055,38.227) ; v1@86.949,23.628 87.009,23.628 87.476,24.095 FPC.4
  Bottom Layer w0.3: v1(59.055,38.227) 72.455,38.227 80.443,30.239 80.443,29.793 86.185,24.051 86.201,24.051 86.209,24.044 86.241,24.044 86.79,23.495 v1(86.827,23.495)
Z2: FPC.7 JP8.7 | length 44.1
  Top Layer w0.3: v1(86.827,25.413) 86.874,25.452 87.017,25.595 FPC.7
  Bottom Layer w0.3: v1(86.827,25.413) 86.827,40.708 86.741,40.794 86.741,56.081 87.122,56.462 87.122,56.466 87.124,56.586 87.165,59.702 87.212,62.454 87.213,62.575 87.3,62.662 JP8.7@90.639,66.001
Z3: FPC.10 JP9.7 | length 49.9
  Top Layer w0.3: JP9.7@60.257,7.561 62.484,5.334 83.556,5.334 ccw(c83.554,5.634) 83.577,5.335 ccw(c83.422,7.267) 84.795,5.898 ccw(c83.141,7.549) 85.47,7.365 ccw(c85.171,7.387) 85.471,7.387 85.471,26.543 86.023,27.095 FPC.10
Z4: FPC.13 JP10.7 | length 85.2
  Top Layer w0.3: JP10.7@11.077,44.196 32.004,44.196 v1(36.068,40.132) ; v1(84.836,28.321) 85.11,28.595 FPC.13
  Bottom Layer w0.3: v1(36.068,40.132) 74.549,40.132 81.153,33.528 81.153,32.004 v1(84.836,28.321)
pads on no net: FPC.31 FPC.32 JP15.5 JP15.6 U1.3 U2.6 U3.1 U3.6 U3.7
copper on no net:
  other v3: 7,7 93,7 7,93 93,93

## Polygon pours and split planes (outlines as drawn)
GND on Bottom Layer "NONET_L-01_P-001" (solid, remove dead copper, pour order 3): -9.652,107.823 115.189,107.823 115.189,-5.461 -9.652,-5.461
24V on Bottom Solder "NONET_L-01_P-001" (solid): 19.685,41.402 19.685,37.084 15.621,33.02 15.621,7.239 17.399,7.239 17.399,32.258 22.225,37.084 22.225,41.402
24V on Bottom Solder "NONET_L-01_P-001" (solid): 22.225,37.846 30.353,37.846 37.592,45.085 37.592,88.011 33.782,91.821 35.052,93.091 39.116,89.027 80.01,89.027 82.804,91.821 82.804,92.075 84.582,92.075 84.582,91.186 80.645,87.249 39.37,87.249 39.37,44.45 30.988,36.068 21.209,36.068 21.082,36.195
24V on Bottom Solder "NONET_L-01_P-001" (solid): 17.272,15.24 62.357,15.24 67.183,10.414 67.183,8.001 65.405,8.001 65.405,9.779 61.722,13.462 61.595,13.335 17.272,13.335
B24V on Bottom Solder "NONET_L-01_P-001" (solid): 11.811,79.375 30.48,79.375 33.782,76.073 33.782,68.58 28.321,63.119 28.321,56.896 25.908,56.896 25.781,57.023 25.781,64.262 31.242,69.723 31.242,75.057 29.464,76.835 11.811,76.835
GND on Top Layer "NONET_L-01_P-001" (solid, remove dead copper, pour order 2): -9.652,107.95 -9.525,107.823 115.189,107.823 115.189,-5.461 -9.652,-5.334
12V on PWR (split plane): 155 vertices, not listed, extent 0.95,0.823 99.177,99.109
12V on PWR (split plane): 0.958,6.933 0.948,6.882 0.958,6.933 0.962,6.997
-12V on PWR (split plane): 94.819,97.656 94.777,97.628 94.749,97.586 94.74,97.536 94.749,97.486 94.777,97.444 96.137,96.085 96.137,48.387 96.137,6.531 91.513,1.907 45.139,1.907 41.875,5.172 41.658,5.388 41.658,9.015 44.269,9.015 44.702,8.582 44.702,5.588 44.702,5.461 44.711,5.411 44.739,5.369 46.517,3.591 46.559,3.563 46.609,3.554 85.725,3.554 85.775,3.563 85.817,3.591 92.675,10.449 92.703,10.491 92.712,10.541 92.712,44.958 92.703,45.008 92.675,45.05 91.405,46.32 91.363,46.348 91.313,46.357 87.884,46.357 87.834,46.348 87.792,46.32 85.798,44.325 83.747,44.325 82.171,45.901 82.171,49.149 82.171,49.274 93.472,49.274 93.522,49.283 93.564,49.311 93.592,49.353 93.601,49.403 93.601,89.154 93.592,89.204 93.564,89.246 86.96,95.85 86.918,95.878 86.868,95.887 58.674,95.887 58.624,95.878 58.582,95.85 58.554,95.808 58.545,95.758 58.545,91.315 55.501,91.315 55.501,95.758 55.492,95.808 55.464,95.85 55.422,95.878 55.372,95.887 15.875,95.887 15.825,95.878 15.783,95.85 13.116,93.183 13.088,93.141 13.079,93.091 13.079,90.859 7.782,85.563 7.754,85.521 7.745,85.471 7.745,64.516 7.754,64.466 7.782,64.424 8.925,63.281 8.967,63.253 9.017,63.244 11.884,63.244 12.19,62.938 12.19,61.014 11.249,60.073 6.15,60.073 5.59,60.633 5.59,87.068 9.998,91.475 10.026,91.517 10.035,91.567 10.035,93.926 13.77,97.661 94.844,97.661
no net on PWR (split plane): 7.056,0.889 7.026,0.887 7.056,0.889
5V on PWR (split plane): 25.017,94.434 25.017,91.694 25.026,91.644 25.054,91.602 26.07,90.586 26.112,90.558 26.162,90.549 71.501,90.549 71.551,90.558 71.593,90.586 71.621,90.628 71.63,90.678 71.63,94.613 74.801,94.613 74.801,90.678 74.81,90.628 74.838,90.586 74.88,90.558 74.93,90.549 89.227,90.549 91.819,87.957 91.819,70.285 90.624,69.09 89.662,69.09 89.612,69.081 89.57,69.053 88.046,67.529 88.018,67.487 88.009,67.437 88.009,58.093 81.442,51.527 81.414,51.485 81.405,51.435 81.405,13.643 78.648,10.887 78.62,10.845 78.611,10.795 78.611,6.531 77.416,5.336 76.127,5.336 75.059,6.404 75.059,9.525 75.05,9.575 75.022,9.617 73.117,11.522 73.075,11.55 73.025,11.559 30.861,11.559 30.811,11.55 30.769,11.522 28.737,9.49 28.709,9.448 28.7,9.398 28.7,6.531 27.759,5.59 26.216,5.59 25.529,6.277 25.529,10.614 28.502,13.587 70.485,13.587 70.535,13.596 70.577,13.624 72.736,15.783 72.764,15.825 72.773,15.875 72.773,31.696 78.07,36.992 78.098,37.034 78.107,37.084 78.107,51.689 78.098,51.739 78.07,51.781 73.879,55.972 73.837,56 73.787,56.009 70.285,56.009 68.037,58.258 65.788,60.506 65.788,64.208 68.761,67.181 78.359,67.181 78.409,67.19 78.451,67.218 81.969,70.737 82.042,70.737 82.092,70.746 82.134,70.774 82.162,70.816 82.171,70.866 82.171,86.233 82.162,86.283 82.134,86.325 80.229,88.23 80.187,88.258 80.137,88.267 24.311,88.267 21.846,90.732 21.846,94.18 22.66,94.994 24.457,94.994
12V on PWR (split plane): 99.118,92.917 99.132,92.845 99.118,92.917 99.114,92.977
GND on GND (split plane): 0.449,6.966 0.439,6.931 0.449,6.966 0.452,6.997
GND on GND (split plane): 181 vertices, not listed, extent 0.439,0.315 99.685,99.617

## Keep-outs
Keep-Out Layer:
  lines w0.254: 0.056,6.997 ccw(c7.056,6.997) 7.056,-0.003 ; 0.076,6.655 0.076,93.026 cw(c6.975,93.026) 6.975,99.925 93.345,100 ; 6.731,0 92.938,-0.067 ccw(c92.938,7.061) 100.066,7.061 100.023,92.977 ; 93,99.977 cw(c93,92.977) 100,92.977 ; 150.114,44.344 cw(c50.255,49.651) 150.252,50.44

## Other copper
PWR (plane layer: these items are gaps in the copper):
  lines w0.254: 74.93,94.615 74.93,90.678 89.281,90.678 91.948,88.011 91.948,70.231 90.678,68.961 89.662,68.961 88.138,67.437 88.138,58.039 81.534,51.435 81.534,13.589 78.74,10.795 78.74,6.477 77.47,5.207 76.073,5.207 74.93,6.35 74.93,9.525 73.025,11.43 30.861,11.43 28.829,9.398 28.829,6.477 27.813,5.461 26.162,5.461 25.4,6.223 25.4,10.668 28.448,13.716 70.485,13.716 72.644,15.875 72.644,31.75 77.978,37.084 77.978,51.689 73.787,55.88 70.231,55.88 67.945,58.166 65.659,60.452 65.659,64.262 68.707,67.31 78.359,67.31 81.915,70.866 82.042,70.866 82.042,86.233 80.137,88.138 64.262,88.138 24.257,88.138 21.717,90.678 ; 74.93,94.742 71.501,94.742 71.501,90.678 26.162,90.678 25.146,91.694 25.146,94.488 24.511,95.123 22.606,95.123 21.717,94.234 ; 94.869,97.536 96.266,96.139 96.266,48.387 96.266,6.477 91.567,1.778 57.023,1.778 45.085,1.778 41.783,5.08 41.529,5.334 41.529,9.144 44.323,9.144 44.831,8.636 44.831,5.588 44.831,5.461 46.609,3.683 85.725,3.683 92.583,10.541 92.583,44.958 91.313,46.228 87.884,46.228 85.852,44.196 83.693,44.196 82.042,45.847 82.042,49.149 82.042,49.403 93.472,49.403 93.472,89.154 86.868,95.758 59.563,95.758 58.674,95.758 58.674,91.186 55.372,91.186 55.372,95.758 15.875,95.758 13.208,93.091 13.208,90.805 7.874,85.471 7.874,64.516 9.017,63.373 11.938,63.373 12.319,62.992 12.319,60.96 11.303,59.944 6.096,59.944 5.461,60.579 5.461,87.122 9.906,91.567 9.906,93.98 13.716,97.79 55.372,97.79 94.869,97.79 ; 21.717,90.678 21.717,94.234 ; 21.717,90.678 21.717,94.234

## Silkscreen, mask and mechanical layers (free items; w line width, h text height)
Top Overlay:
  lines w0.254: 14.097,27.94 16.764,27.94 ; 14.097,31.877 16.764,31.877 ; 14.097,35.56 16.764,35.56 ; 14.097,46.101 16.764,46.101 ; 14.097,49.625 16.764,49.625 ; 14.097,53.149 16.764,53.149 ; 14.224,56.674 16.764,56.674 ; 14.224,60.198 16.764,60.198 ; 15.748,75.692 17.97,75.692 ; 16.637,67.564 14.097,67.564 14.097,64.262 ; 16.764,67.564 16.764,64.262 ; 18.161,86.614 18.161,89.281 ; 18.288,10.795 18.288,13.462 ; 21.685,86.614 21.685,89.281 ; 21.812,10.795 21.812,13.462 ; 24.13,18.161 24.13,20.383 ; 25.209,86.614 25.209,89.281 ; 25.336,10.795 25.336,13.462 ; 28.734,86.614 28.734,89.154 ; 28.861,10.795 28.861,13.335 ; 31.305,75.692 33.528,75.692 ; 32.258,86.614 32.258,89.154 ; 32.385,10.795 32.385,13.335 ; 36.957,18.542 36.957,21.463 ; 40.513,18.542 40.513,21.463 ; 41.402,86.614 41.402,89.281 ; 44.069,18.542 44.069,21.336 ; 44.704,10.795 44.704,13.462 ; 44.926,86.614 44.926,89.281 ; 47.498,18.542 47.498,21.463 ; 48.228,10.795 48.228,13.462 ; 48.45,86.614 48.45,89.281 ; 51.117,18.415 51.117,21.463 ; 51.752,10.795 51.752,13.462 ; 51.975,86.614 51.975,89.154 ; 54.483,18.415 54.483,18.923 54.483,21.463 ; 55.277,10.795 55.277,13.335 ; 55.499,86.614 55.499,89.154 ; 58.166,18.415 58.166,21.336 ; 58.801,10.795 58.801,13.335 ; 61.468,18.415 61.468,21.463 ; 65.278,18.542 65.278,21.336 ; 67.945,10.795 67.945,13.462 ; 67.945,86.741 67.945,89.408 ; 71.469,10.795 71.469,13.462 ; 71.469,86.741 71.469,89.408 ; 71.501,78.486 74.295,78.486 ; 71.628,74.803 74.295,74.803 ; 74.993,10.795 74.993,13.462 ; 74.993,86.741 74.993,89.408 ; 78.518,10.795 78.518,13.335 ; 78.518,86.741 78.518,89.281 ; 82.042,10.795 82.042,13.335 ; 82.042,86.741 82.042,89.281 ; 83.82,49.276 86.487,49.276 ; 83.82,52.8 86.487,52.8 ; 83.82,56.325 86.487,56.325 ; 83.82,73.406 86.487,73.406 ; 83.82,77.089 86.487,77.089 ; 83.82,81.026 86.487,81.026 ; 83.947,59.849 86.487,59.849 ; 83.947,63.373 86.487,63.373 ; 14.097,64.262 14.097,42.164 16.764,42.164 16.764,64.262 ; 14.097,64.262 16.764,64.262 ; 40.767,10.795 37.465,10.795 37.465,13.462 40.767,13.462 ; 40.767,10.795 40.767,13.462 ; 40.767,10.795 62.865,10.795 62.865,13.462 40.767,13.462 ; 59.563,86.614 62.992,86.614 62.992,89.281 59.563,89.281 ; 59.563,86.614 59.563,89.281 ; 59.563,86.614 37.465,86.614 37.465,89.281 59.563,89.281 ; 83.82,45.339 83.82,42.037 86.487,42.037 86.487,45.339 ; 83.82,45.339 86.487,45.339 ; 83.82,45.339 83.82,67.437 86.487,67.437 86.487,45.339 ; 14.097,23.876 16.764,23.876 16.764,39.878 14.097,39.878 14.097,23.876 ; 14.224,86.614 36.322,86.614 36.322,89.281 14.224,89.281 14.224,86.614 ; 14.351,10.795 36.449,10.795 36.449,13.462 14.351,13.462 14.351,10.795 ; 15.748,70.485 15.748,70.612 15.748,80.772 18.034,80.772 18.034,70.485 15.748,70.485 ; 19.05,18.161 29.21,18.161 29.337,18.161 29.337,20.447 19.05,20.447 19.05,18.161 ; 31.305,70.485 33.591,70.485 33.591,80.772 31.305,80.772 31.305,70.612 31.305,70.485 ; 33.147,18.415 33.147,21.463 69.088,21.463 69.088,18.415 33.147,18.415 ; 64.008,10.795 86.106,10.795 86.106,13.462 64.008,13.462 64.008,10.795 ; 64.008,86.741 64.008,89.408 86.106,89.408 86.106,86.741 64.008,86.741 ; 71.501,70.485 74.295,70.485 74.295,82.677 71.501,82.677 71.501,70.485 ; 83.82,69.088 86.487,69.088 86.487,85.09 83.82,85.09 83.82,69.088
  text "磁力仪1" at 48.895,97.547 h1.52
  text "电机组D" at 22.86,97.426 h1.52
  text "电机组A" at 72.898,97.426 h1.52
  text "GND" at 64.516,87.646 h1.52
  text "5V" at 72.517,87.646 h1.52
  text "GND" at 75.311,87.646 h1.52
  text "AGND" at 48.895,87.641 h1.02
  text "A-2" at 68.707,87.63 h1.52
  text "A-1" at 79.248,87.63 h1.52
  text "24V" at 82.93,87.63 h1.52
  text "GND" at 52.324,87.519 h1.52
  text "D-1" at 29.591,87.503 h1.52
  text "24V" at 33.146,87.503 h1.52
  text "Z1" at 38.735,87.503 h1.52
  text "Y1" at 42.418,87.503 h1.52
  text "X1" at 45.975,87.503 h1.52
  text "-12V" at 56.134,87.503 h1.52
  text "12V" at 60.198,87.503 h1.52
  text "GND" at 14.732,87.392 h1.52
  text "5V" at 22.733,87.392 h1.52
  text "GND" at 25.527,87.392 h1.52
  text "D-2" at 19.05,87.376 h1.52
  text "5V接口" at 88.392,85.726 h1.52
  text "GND" at 84.725,84.455 h1.52 r270
  text "备用" at 76.835,83.44 h1.52
  text "SB-3" at 72.407,82.042 h1.52 r270
  text "电池" at 6.858,81.376 h1.52
  text "开关" at 22.479,81.286 h1.52
  text "B24V" at 16.51,79.883 h1.52 r270
  text "B24V" at 32.067,79.883 h1.52 r270
  text "5V" at 84.725,79.883 h1.52 r270
  text "SB-2" at 72.406,78.105 h1.52 r270
  text "GND" at 84.725,76.708 h1.52 r270
  text "GND" at 16.526,74.549 h1.52 r270
  text "J24V" at 32.083,74.552 h1.52 r270
  text "SB-1" at 72.406,74.041 h1.52 r270
  text "5V" at 84.725,72.009 h1.52 r270
  text "磁力仪4" at 7.62,68.083 h1.52
  text "磁力仪2" at 88.011,67.829 h1.52
  text "Z2" at 84.709,66.167 h1.52 r270
  text "12V" at 15.875,64.77 h1.52 r90
  text "Y2" at 84.709,62.484 h1.52 r270
  text "-12V" at 15.875,60.706 h1.52 r90
  text "X2" at 84.709,58.927 h1.52 r270
  text "GND" at 15.859,57.023 h1.52 r90
  text "AGND" at 84.847,55.753 h1.02 r270
  text "AGND" at 15.737,53.594 h1.02 r90
  text "GND" at 84.725,52.451 h1.52 r270
  text "X4" at 15.875,50.547 h1.52 r90
  text "-12V" at 84.709,48.768 h1.52 r270
  text "Y4" at 15.875,47.117 h1.52 r90
  text "12V" at 84.709,44.831 h1.52 r270
  text "Z4" at 15.875,43.434 h1.52 r90
  text "网口" at 8.89,40.614 h1.52
  text "ETX+" at 14.986,39.37 h1.52 r270
  text "ETX-" at 14.986,35.306 h1.52 r270
  text "ERX+" at 14.986,31.623 h1.52 r270
  text "充电" at 22.987,30.74 h1.52
  text "调试缆" at 49.403,29.856 h1.52
  text "ERX-" at 14.986,27.559 h1.52 r270
  text "深度计" at 74.93,24.009 h1.52
  text "CLK" at 33.782,19.574 h1.52
  text "DIO" at 37.719,19.574 h1.52
  text "GND" at 61.976,19.574 h1.52
  text "C24V" at 65.532,19.574 h1.52
  text "ERX-" at 40.767,19.558 h1.4
  text "ERX+" at 44.323,19.558 h1.4
  text "ETX-" at 48.006,19.558 h1.4
  text "ETX+" at 51.435,19.558 h1.4
  text "232RX" at 54.99,19.569 h1.02
  text "232TX" at 58.546,19.569 h1.02
  text "GND" at 19.939,18.939 h1.52
  text "C24V" at 25.273,18.939 h1.52
  text "接插电源板" at 2.415,18.482 h3
  text "FPC" at 90.043,18.05 h1.52
  text "Designed by PoisonNF" at 2.541,15.934 h1.52
  text "AGND" at 48.768,11.822 h1.02
  text "GND" at 82.629,11.76 h1.52
  text "C-1" at 19.177,11.7 h1.52
  text "5V" at 26.289,11.7 h1.52
  text "C-2" at 29.591,11.7 h1.52
  text "GND" at 33.02,11.7 h1.52
  text "5V" at 75.946,11.7 h1.52
  text "24V" at 15.239,11.684 h1.52
  text "24V" at 64.896,11.684 h1.52
  text "B-1" at 68.834,11.684 h1.52
  text "B-2" at 79.375,11.684 h1.52
  text "GND" at 22.219,11.661 h1.52
  text "GND" at 71.749,11.661 h1.52
  text "GND" at 45.085,11.573 h1.52
  text "X3" at 52.833,11.574 h1.52
  text "Y3" at 56.261,11.574 h1.52
  text "Z3" at 60.071,11.574 h1.52
  text "12V" at 38.1,11.557 h1.52
  text "-12V" at 41.275,11.557 h1.52
  text "电机组C" at 22.987,1.541 h1.52
  text "电机组B" at 72.517,1.541 h1.52
  text "磁力仪3" at 48.006,1.535 h1.52
Bottom Overlay:
  drawing of 4 lines, arcs and shapes, not listed